# Altium PCB Power_Card_Lahiru.PcbDoc (part 2 of 2)
Units mm, origin at the board's own origin, x right, y up, seen from the top; angles counter-clockwise.
Board outline 100 x 100 mm, 2 copper layers (Top Layer, Bottom Layer), stack 1.595 mm thick; 182 components, 119 nets, 548 pads, 256 vias.
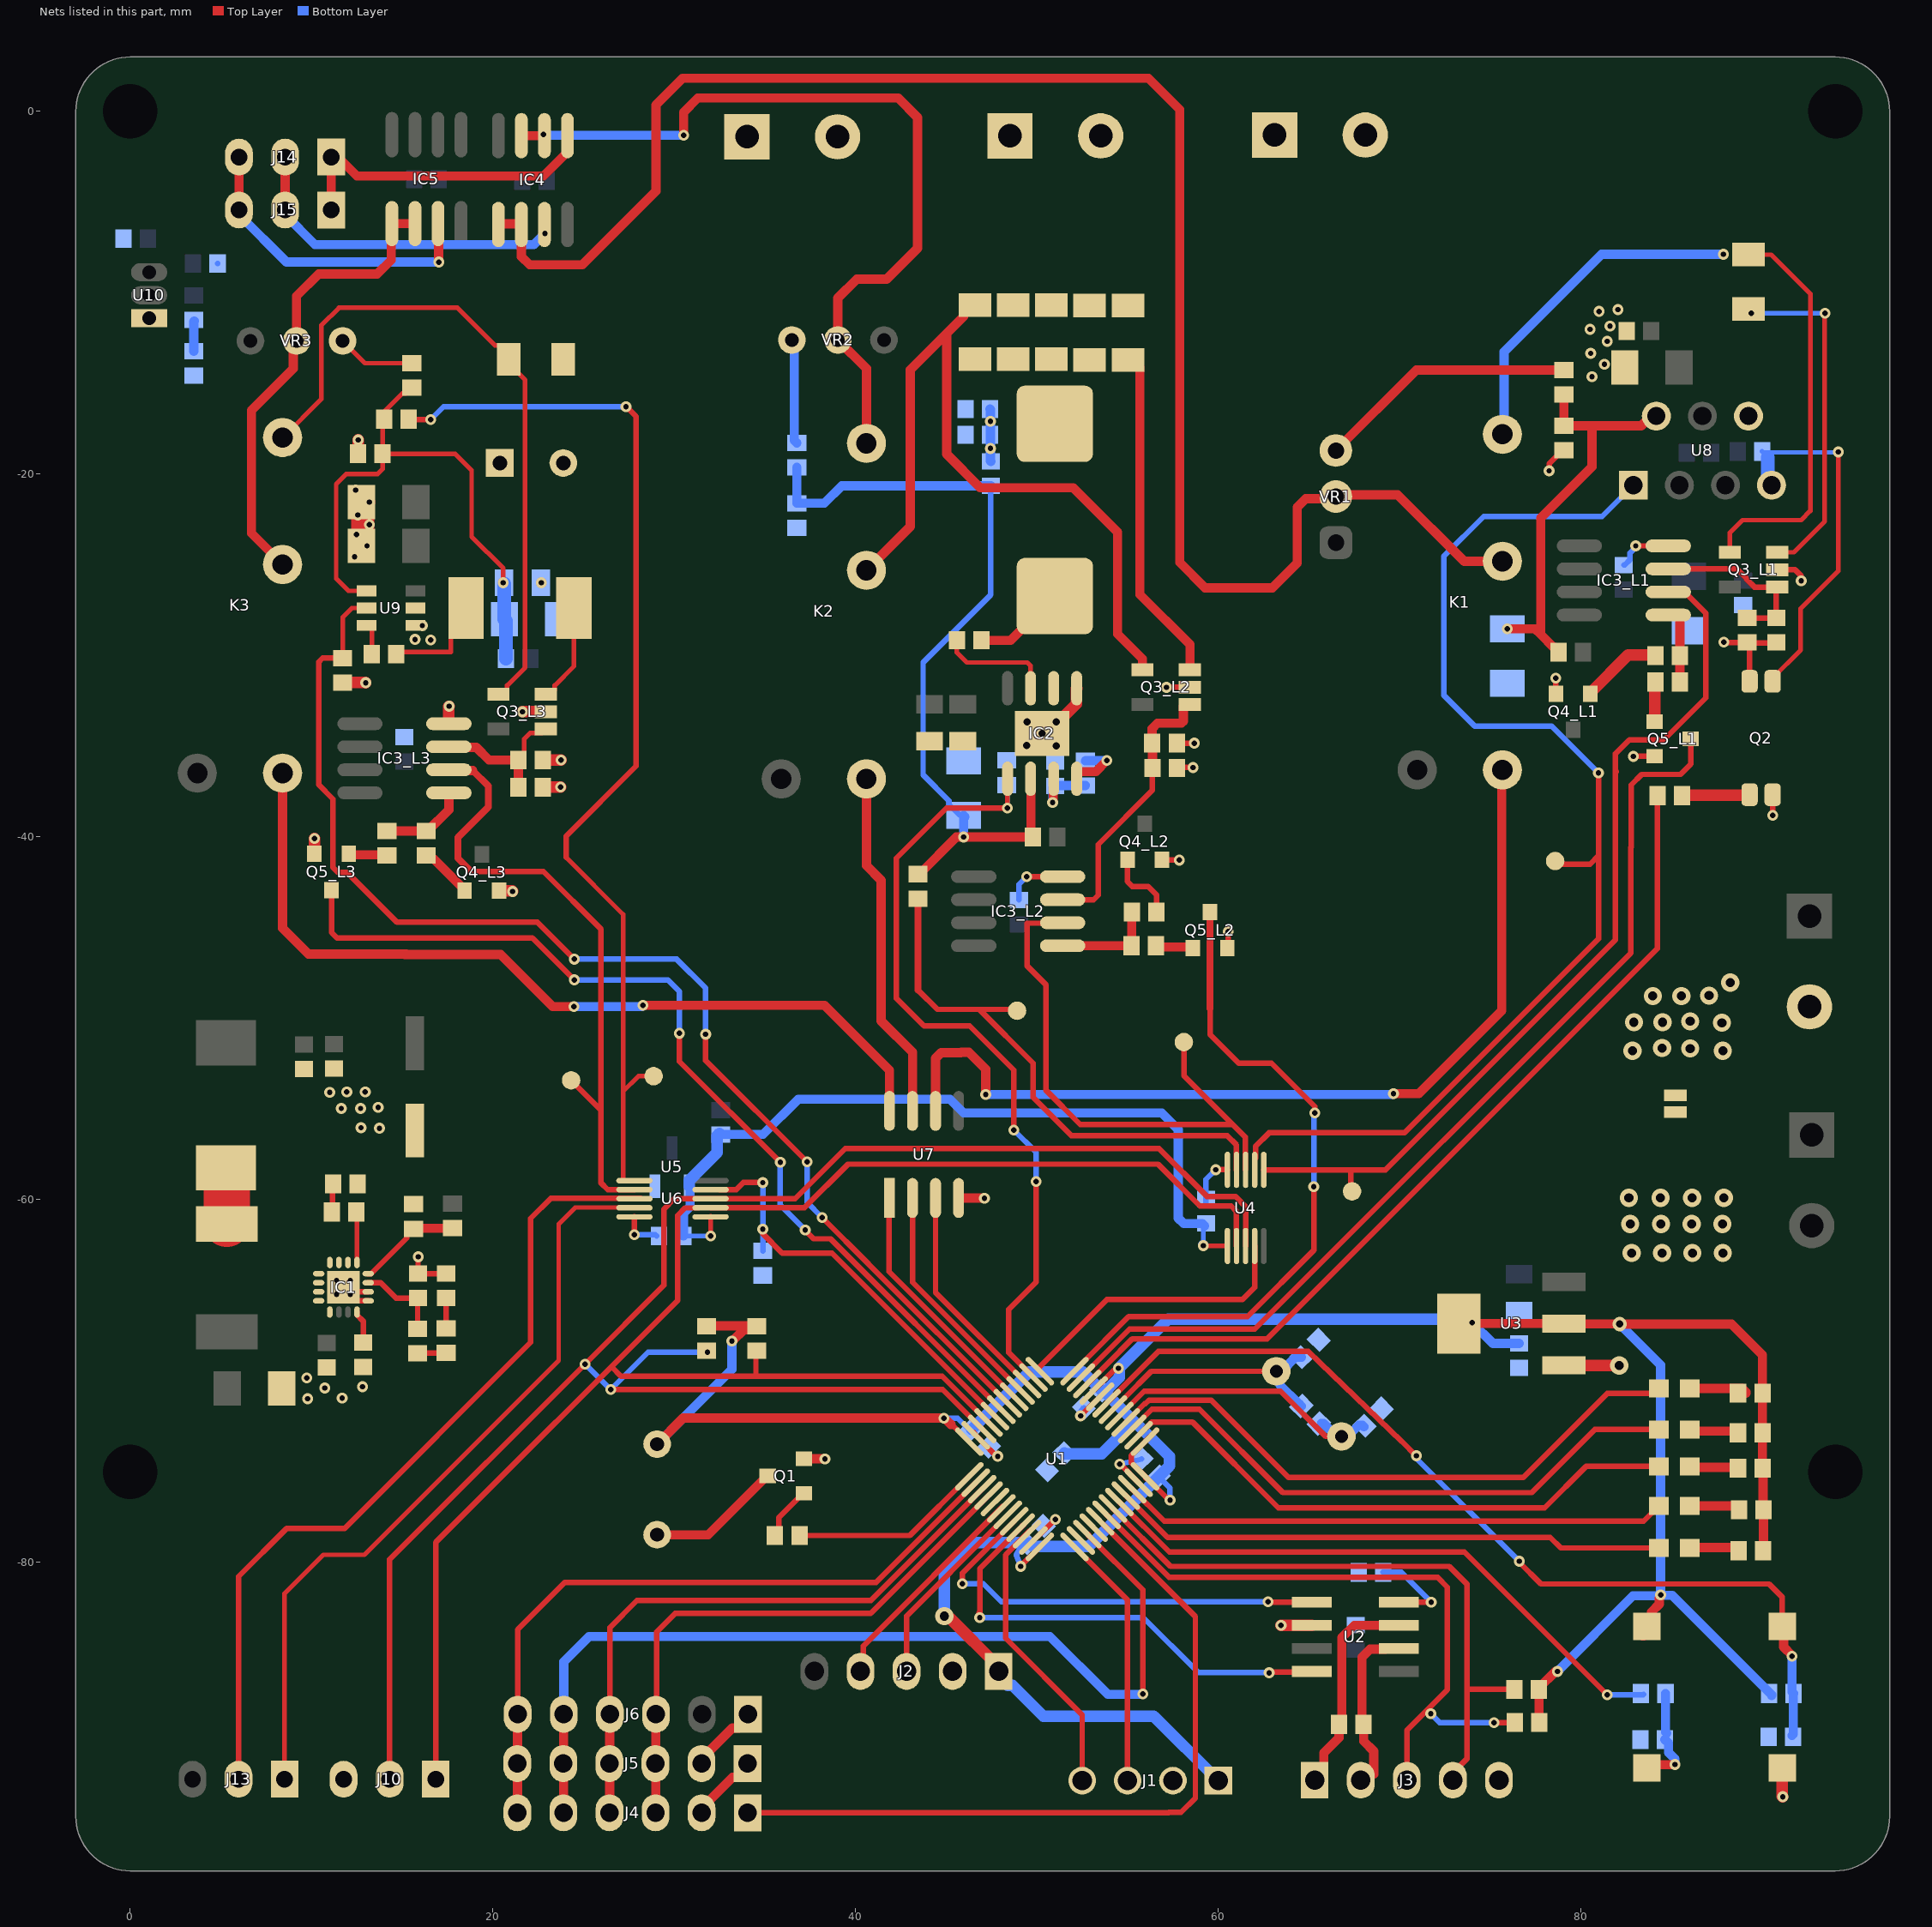
[diagram p2: the nets of this part, all layers, seen from the top]

## Via types
v1: diameter 0.6, hole 0.3, Top Layer to Bottom Layer, 153 vias
v2: diameter 0.8, hole 0.4, Top Layer to Bottom Layer, 62 vias
v3: diameter 1, hole 0.5, Top Layer to Bottom Layer, 27 vias
v4: diameter 0.6, hole 0.3, Top Layer to Bottom Layer, tented both sides, 7 vias
v5: diameter 0.8, hole 0.4, Top Layer to Bottom Layer, tented both sides, 7 vias

## Nets (pads, with @x,y where several pads share a name; then routed paths per layer and width w, separated by ;. In a path a pad name is that pad's centre, name@x,y a point inside that pad or via, vN(x,y) a via of type N, cw(c..) or ccw(c..) an arc to the next point about the centre after c; other vN are vias at no path point) (continued)
A3.3V: C9.2 C10.2 C11.2 C12.2 C13.2 C18.2 J1.4 J2.1 R8.1 R40.2 R41.2 R42.2 R43.2 R46.2 R47.2 R48.2 R49.2 R50.2 S1.2 SP1.1 U1.1 U1.9 U1.24 U1.36 U1.48 U3.2 U3.4 | length 187.3
  Top Layer w0.305: 45.263,-72.39 45.288,-72.39 U1.24@45.542,-72.644 ; v1(49.098,-80.213) 49.124,-80.162 49.2,-80.086 U1.36@50.15,-79.139 ; U1.9@53.12,-70.512 54.234,-69.398 54.325,-69.398 v1@54.381,-69.342 ; U1.48@55.997,-75.362 U1.48@56.032,-75.362 ; U1.1@56.591,-72.706 U1.1@55.948,-73.34 55.194,-74.095 55.194,-74.495 U1.48@55.948,-75.25 57.147,-76.448 57.246,-76.448 v1@57.302,-76.505
  Top Layer w0.508: SP1.1@29.047,-73.471 30.478,-72.04 v1(44.862,-72.04) 44.887,-72.04 45.237,-72.39 45.263,-72.39 ; R41.2@31.775,-66.965 31.788,-66.953 34.531,-66.953 R43.2@34.544,-66.965 ; v1(33.172,-67.793) 33.197,-67.793 33.829,-67.161 34.286,-67.161 R43.2@34.315,-67.132 ; v3(44.882,-82.956) 44.976,-83.051 v3@45.179,-83.051 ; J2.1@47.879,-86.004 J2.1@47.879,-85.75 ; v1(73.99,-66.777) 74.041,-66.827 U3.2@79.049,-66.827 79.062,-66.84 82.105,-66.84 v2(82.118,-66.853) 88.29,-66.853 89.992,-68.555 R48.2@89.992,-70.667 R47.2@89.992,-72.85 R46.2@89.992,-74.803 90.025,-74.836 90.025,-77.056 R50.2@90.058,-77.089 90.045,-77.102 90.045,-79.337 R49.2@90.032,-79.35 ; R40.2@77.673,-88.9 77.675,-88.898 77.675,-87.008 R42.2@77.662,-86.995 77.662,-86.92 78.578,-86.004 v1(78.689,-86.004) ; S1.2@83.388,-84.049 S1.2@83.439,-84.049 ; S1.2@83.871,-83.464 83.871,-82.728 84.303,-82.296 84.303,-81.991 v1@84.29,-81.978
  Top Layer w0.635: v3@45.179,-83.051 J2.1@47.879,-85.75
  Bottom Layer w0.305: v1(44.862,-72.04) 45.624,-72.04 46.239,-72.655 C13.2@46.38,-72.655 ; v1(49.098,-80.213) 48.844,-79.578 C10.2@49.205,-78.938 ; C12.2@56.713,-75.255 56.713,-75.28 57.328,-75.895 v1(57.328,-76.556)
  Bottom Layer w0.508: SP1.1@29.047,-73.471 33.172,-69.346 v1(33.172,-67.793) ; C13.2@46.38,-72.655 C13.2@46.391,-72.655 ; v1(54.483,-69.291) v1@54.508,-69.291 ; v1(73.99,-66.777) 75.129,-67.916 C18.2@76.573,-67.916 ; v1(78.689,-86.004) 82.855,-81.839 v1@84.455,-81.839 ; v2(82.118,-66.853) 84.379,-69.113 v1(84.379,-81.788) 84.396,-81.806 85.016,-81.806 90.5,-87.29 R8.1@90.5,-87.325
  Bottom Layer w0.635: v3(44.882,-82.956) 44.882,-80.594 46.573,-78.903 C10.2@49.348,-78.903 ; C13.2@46.391,-72.655 49.557,-69.489 52.511,-69.489 C11.2@53.538,-70.516 ; J2.1@47.879,-86.004 47.879,-86.258 48.387,-86.766 48.641,-86.766 50.343,-88.468 56.43,-88.468 J1.4@59.986,-92.024 ; C10.2@49.414,-78.933 49.601,-78.933 49.788,-79.12 52.848,-79.12 C12.2@56.713,-75.255 57.288,-74.68 57.288,-74.154 C11.2@53.734,-70.599 ; C9.2@51.506,-73.97 51.541,-74.005 53.553,-74.005 55.245,-72.314 55.347,-72.314 ; C11.2@53.888,-70.445 54.534,-69.799 v1@54.534,-69.418 ; v1@54.508,-69.291 57.22,-66.58 73.794,-66.58 v1(73.99,-66.777)
AGND: C9.1 C10.1 C11.1 C12.1 C13.1 C14.2 C15.2 C16.1 C17.1 C18.1 C19.1 C42.2 C43.1 J1.3 J2.2 J3.5 J10.3 JP1.1 Q1.2 R10.2 R11.1 R13.1 S2.1 U1.8 U1.23 U1.35 U1.47 U2.2 U3.1 U4.10 U5.2 U6.10 U7.4 | length 22.8
  Top Layer w0.305: v1(27.788,-61.925) 27.788,-60.946 27.79,-60.944 U6.10@27.796,-60.944 ; U1.23@46.464,-72.814 46.486,-72.815 46.989,-73.375 47.756,-74.143 v1(47.828,-74.143) ; U1.35@49.797,-78.785 50.736,-77.889 50.749,-77.876 v1(51.003,-77.622) ; v1(52.394,-71.915) 52.566,-71.743 U1.8@53.474,-70.866 ; v1(54.559,-74.574) 54.61,-74.6 U1.47@55.595,-75.603 ; v1(59.842,-58.344) 60.491,-58.344 60.493,-58.346 U4.10@60.493,-58.352
  Top Layer w0.508: Q1.2@37.144,-74.285 38.293,-74.285 v1(38.303,-74.295) ; U7.4@45.669,-59.906 47.079,-59.906 v4(47.092,-59.919)
  Top Layer w0.635: v1(63.449,-83.464) U2.2@65.139,-83.464 ; U3.1@79.049,-69.127 79.055,-69.133 82.087,-69.133 v3(82.093,-69.139) ; S2.1@91.084,-91.327 91.084,-92.888 v1(91.11,-92.913)
  Bottom Layer w0.305: v1(27.788,-61.925) 28.956,-61.925 C43.1@29.032,-62.001 ; C13.1@47.473,-73.889 47.727,-74.143 v1(47.828,-74.143) ; v1(52.394,-71.915) 52.386,-71.915 52.539,-71.762 52.416,-71.638 C11.1@52.583,-71.47 ; v1(54.559,-74.574) C12.1@55.758,-74.3 ; C42.2@59.309,-60.173 C42.2@59.309,-59.955 59.309,-58.881 59.842,-58.348 v1(59.842,-58.344)
  other v3: 82.779,-62.941 84.455,-62.941 86.131,-62.941 87.808,-62.941 82.702,-61.341 84.396,-61.341 86.089,-61.341 87.782,-61.341 82.626,-59.893 84.37,-59.893 86.114,-59.893 87.859,-59.893
BOOT0: R9.1 U1.44 | length 33.3
  Top Layer w0.305: U1.44@54.534,-76.664 57.296,-79.426 73.558,-79.426 v1(81.432,-87.3)
  Bottom Layer w0.305: v1(81.432,-87.3) 83.414,-87.3 R9.1@83.439,-87.274
BOOT1: R10.1 U1.20 U6.4 | length 23.6
  Top Layer w0.305: U6.4@32.487,-59.436 33.412,-59.436 33.793,-59.055 v1(34.874,-59.055) ; v1(34.874,-61.62) 34.874,-61.874 35.941,-62.941 38.69,-62.941 U1.20@47.675,-71.926
  Bottom Layer w0.305: v1@34.798,-61.595 34.874,-61.671 R10.1@34.874,-62.825 ; v1(34.874,-61.62) v1(34.874,-59.055)
CANH: J3.1 R12.2 U2.7 | length 11.2
  Top Layer w0.508: J3.1@65.303,-91.999 65.811,-91.491 65.811,-90.5 66.65,-89.662 R12.2@66.65,-88.925 66.802,-88.773 66.802,-84.143 67.481,-83.464 69.19,-83.464 U2.7@69.215,-83.49
CANL: J3.2 R12.1 U2.6 | length 9.1
  Top Layer w0.508: J3.2@67.843,-91.999 68.174,-91.669 68.555,-91.669 68.555,-90.399 68,-89.844 R12.1@68,-88.925 67.909,-88.835 67.909,-85.228 68.356,-84.78 69.194,-84.78 U2.6@69.24,-84.734
CANRX: U1.32 U2.1 | length 24.2
  Top Layer w0.305: v1(45.872,-81.178) 45.872,-80.588 U1.32@48.736,-77.724 ; v1(62.738,-82.169) 62.751,-82.182 64.96,-82.182 U2.1@64.973,-82.169
  Bottom Layer w0.305: v1(45.872,-81.178) 47.041,-81.178 48.031,-82.169 v1(62.738,-82.169)
CANTX: U1.33 U2.4 | length 26.7
  Top Layer w0.305: v1@46.787,-82.779 46.838,-82.829 v1(46.838,-83.033) 46.838,-80.34 49.225,-77.953 49.222,-77.949 49.218,-77.949 U1.33@49.09,-78.078 ; v1(62.789,-86.081) 62.827,-86.043 65.646,-86.043 U2.4@65.684,-86.004
  Bottom Layer w0.305: v1(46.838,-83.033) 55.855,-83.033 58.877,-86.055 62.763,-86.055 v1(62.789,-86.081)
DAC_OUT_1: J13.2 U6.8 | length 46
  Top Layer w0.305: J13.2@5.969,-91.948 5.969,-80.772 8.611,-78.13 11.811,-78.13 22.073,-67.869 22.073,-61.036 23.19,-59.919 U6.8@28.143,-59.919
DAC_OUT_2: J13.1 U6.9 | length 42.4
  Top Layer w0.254: J13.1@8.509,-91.948 8.509,-81.712 10.643,-79.578 12.903,-79.578 23.622,-68.859 23.622,-61.341 24.536,-60.427 U6.9@27.404,-60.427
EN: Q2.E R20.2 U8.7 | length 20.4
  Top Layer w0.254: Q2.E@90.551,-31.419 90.551,-31.244 92.1,-29.695 92.1,-27.407 94.177,-25.33 v1(94.177,-18.777)
  Bottom Layer w0.254: R20.2@89.971,-18.745 R20.2@90.021,-18.796 ; U8.7@90.294,-20.407 U8.7@90.492,-20.606 ; R20.2@90.294,-19.068 R20.2@90.021,-18.796 ; v1(94.177,-18.777) 94.158,-18.796 R20.2@90.021,-18.796
  Bottom Layer w0.762: U8.7@90.294,-20.407 R20.2@90.294,-19.068
EN_1: R17.2 U1.10 | length 49.8
  Top Layer w0.305: U1.10@52.766,-70.158 53.878,-69.047 53.878,-69.041 55.253,-67.666 62.687,-67.666 84.201,-46.152 R17.2@84.201,-37.694
EN_2: IC2.1 R27.1 U1.14 | length 44.5
  Top Layer w0.254: v1(48.362,-38.405) 48.366,-38.4 48.366,-36.797 IC2.1@48.371,-36.792
  Top Layer w0.305: v1(48.362,-38.405) 45.009,-38.405 42.24,-41.173 42.24,-48.895 43.764,-50.419 46.279,-50.419 48.717,-52.857 v4(48.717,-56.159) ; U1.14@49.682,-69.672 48.438,-68.428 48.438,-66.04 49.936,-64.541 v4(49.936,-59.004)
  Bottom Layer w0.254: R27.1@48.32,-37.131 48.362,-37.173 v1(48.362,-38.405)
  Bottom Layer w0.305: v4(48.717,-56.159) 49.936,-57.379 v4(49.936,-59.004)
EN_3: R34.1 U1.18 U9.5 | length 69.9
  Top Layer w0.254: R34.1@11.709,-30.135 11.709,-27.889 12.217,-27.381 U9.5@13.026,-27.381
  Top Layer w0.305: R34.1@11.709,-30.135 10.606,-30.135 10.389,-30.353 10.389,-37.118 11.176,-37.906 11.176,-41.681 11.455,-41.961 11.963,-41.961 14.707,-44.704 22.454,-44.704 v1(24.486,-46.736) ; v1(31.725,-50.876) 31.725,-52.324 v1(37.313,-57.912) ; v1(38.151,-60.985) 40.716,-63.551 40.716,-63.553 U1.18@48.382,-71.219
  Bottom Layer w0.305: v1(24.486,-46.736) 30.124,-46.736 31.725,-48.336 v1(31.725,-50.876) ; v1(37.313,-57.912) 37.313,-60.147 v1(38.151,-60.985)
FB1: IC4.1 IC4.2 K1.2 VR1.2 | length 95.9
  Top Layer w0.508: IC4.1@20.396,-6.198 21.528,-6.198 IC4.2@21.565,-6.235 21.565,-8.001 22.022,-8.458 24.917,-8.458 28.981,-4.394 28.981,0.356 ; 29.007,0.381 30.455,1.829 56.134,1.829 57.861,0.102 57.861,-24.867 59.258,-26.264 62.967,-26.264 64.338,-24.892 64.338,-21.819 64.81,-21.347 66.36,-21.347 VR1.2@66.472,-21.234 66.574,-21.133 69.875,-21.133 73.544,-24.801 K1.2@75.654,-24.801
FB2: IC4.6 IC4.7 K2.3 VR2.2 | length 45.3
  Top Layer w0.508: IC4.7@21.565,-1.335 IC4.6@22.784,-1.335 ; v1(30.505,-1.321) 30.505,-0.051 31.293,0.737 42.342,0.737 43.409,-0.33 43.409,-7.544 41.707,-9.246 40.056,-9.246 39.014,-10.287 VR2.2@39.014,-12.598 40.589,-14.173 K2.3@40.589,-18.298
  Bottom Layer w0.508: v1(22.784,-1.27) 22.809,-1.27 22.859,-1.321 v1(30.505,-1.321)
FB3: IC5.1 IC5.2 K3.2 VR3.2 | length 25.6
  Top Layer w0.508: K3.2@8.407,-24.983 6.68,-23.256 6.68,-16.485 8.992,-14.173 8.992,-12.827 VR3.2@9.169,-12.649 9.169,-10.185 10.389,-8.966 13.614,-8.966 14.39,-8.19 14.39,-6.615 IC5.1@14.453,-6.553 ; IC5.1@14.351,-6.096 14.439,-6.184 IC5.2@15.697,-6.184
GND: C1.2 C2.1 C3.2 C4.1 C5.1 C6.1 C7.1 C8.1 C22.1 C23.1 C24.1 C25.1 C26.1 C28.1 C30.1 C31.1 C32_L1.1 C32_L2.1 C32_L3.1 C33_L1.1 C33_L2.1 C33_L3.1 C34_L1.1 C34_L2.1 C34_L3.1 C35.1 C36.1 C38.1 C39.1 C40.1 C41.1 IC1.5 IC1.6 IC1.10 IC1.11 IC1.12 IC1.13 IC1.14 IC1.17 IC2.5 IC2.9 IC3_L1.4 IC3_L2.4 IC3_L3.4 J11.1 JP1.2 Q2.C Q2.K Q3_L1.2 Q3_L2.2 Q3_L3.2 Q4_L1.2 Q4_L2.2 Q4_L3.2 Q5_L1.2 Q5_L2.2 Q5_L3.2 R3.2 R6.1 R19.1 R27.2 R29.1 R34.2 R35.1 R38_L1.1 R38_L2.1 R38_L3.1 R45.2 U9.1 U10.1 | length 42
  Top Layer w0.305: IC1.5@13.118,-65.576 12.696,-65.576 12.691,-65.571 12.498,-65.571 12.003,-65.076 IC1.6@13.118,-65.076 ; v1(15.875,-63.144) 15.867,-63.152 C6.1@15.867,-64.07 15.87,-64.072 17.415,-64.072 C8.1@17.417,-64.075 ; v1(49.428,-42.189) IC3_L2.4@51.407,-42.189 ; Q4_L2.2@56.881,-41.259 56.889,-41.267 57.828,-41.267 v1(57.836,-41.275) ; v1(57.124,-31.75) Q3_L2.2@58.425,-31.75 ; R38_L2.1@57.698,-34.83 v1(58.673,-34.83) ; C34_L2.1@57.72,-36.201 57.751,-36.17 v1(58.598,-36.17) ; Q5_L2.2@60.488,-46.136 60.528,-46.176 v1(60.528,-45.212) ; v1(78.232,-19.812) 78.232,-19.421 78.97,-18.684 R19.1@79.045,-18.684 ; v1(78.588,-31.242) 78.595,-31.25 78.595,-32.089 Q4_L1.2@78.603,-32.096 ; v1(82.88,-35.56) 82.895,-35.545 Q5_L1.2@84.039,-35.545 ; v1(83.007,-23.952) IC3_L1.4@84.797,-23.952 ; v1(87.859,-29.261) 87.873,-29.275 R38_L1.1@89.151,-29.275 R38_L1.1@89.19,-29.313 ; Q2.C@89.281,-31.419 89.281,-29.405 R38_L1.1@89.19,-29.313 ; v1(90.551,-38.811) Q2.K@90.551,-37.669 ; C34_L1.1@90.726,-29.352 90.688,-29.313 R38_L1.1@89.19,-29.313 ; Q3_L1.2@90.81,-25.273 91.796,-25.273 92.126,-25.603 v1(92.126,-25.883)
  Top Layer w0.635: Q5_L3.2@10.15,-40.935 10.16,-40.925 v1(10.16,-40.081) ; R34.2@11.709,-31.485 12.969,-31.485 v1(12.979,-31.496) ; R35.1@12.558,-18.872 12.573,-18.858 v1(12.573,-18.11) ; IC3_L3.4@17.563,-33.757 17.563,-32.805 v1(17.577,-32.791) ; Q4_L3.2@20.33,-42.961 20.346,-42.977 21.057,-42.977 v1(21.082,-43.002) ; v1(21.615,-33.096) Q3_L3.2@22.915,-33.096 ; R38_L3.1@22.748,-37.255 v1(23.723,-37.255) ; C34_L3.1@22.748,-35.757 22.754,-35.763 v1(23.749,-35.763) ; v2(50.276,-34.297) 50.531,-34.297 52.163,-32.665 52.163,-31.82 IC2.5@52.181,-31.802
  Top Layer w1.27: C31.1@12.749,-23.952 12.813,-23.889 12.813,-21.603 C30.1@12.876,-21.539
  Bottom Layer w0.305: C41.1@4.815,-8.382 C41.1@4.826,-8.393 ; C32_L2.1@48.997,-43.47 48.997,-42.621 v1(49.428,-42.189) ; C32_L1.1@82.347,-25.007 82.397,-25.007 82.694,-24.71 82.694,-24.345 83.007,-24.032 v1(83.007,-23.952) v1@82.951,-23.896
  other v1: 9.779,-70.968 11.684,-70.942 10.719,-70.383 12.802,-70.307 9.728,-69.825 13.741,-56.058 12.725,-56.032 11.633,-54.966 12.7,-54.966 13.665,-54.915 10.998,-54.077 11.938,-54.051 12.954,-54.051 16.561,-29.134 15.697,-29.108 16.104,-28.346 12.37,-24.562 13.049,-23.952 12.471,-23.317 13.183,-22.784 12.548,-22.25 13.176,-21.539 12.421,-20.879 80.594,-14.63 81.28,-13.945 80.518,-13.335 81.432,-12.672 80.493,-12.014 81.585,-11.836 80.975,-11.024 82.017,-10.922
  other v2: 51.054,-34.976 49.428,-34.95 49.454,-33.655 51.054,-33.655
  other v3: 82.829,-51.791 87.808,-51.791 86.004,-51.664 84.455,-51.638 87.757,-50.241 82.906,-50.216 84.48,-50.216 86.004,-50.165 83.947,-48.768 85.522,-48.768 87.046,-48.743 88.214,-48.031
ILIM_FB_1: Q5_L1.3 U1.11 | length 54
  Top Layer w0.305: U1.11@52.756,-69.469 55.093,-67.132 62.001,-67.132 82.728,-46.406 82.728,-40.589 82.753,-40.564 82.753,-37.135 83.337,-36.551 85.471,-36.551 86.039,-35.982 Q5_L1.3@86.039,-34.595
ILIM_FB_2: Q5_L2.3 U1.12 | length 37.7
  Top Layer w0.305: U1.12@52.349,-69.139 55.042,-66.446 61.595,-66.446 65.253,-62.789 v1(65.253,-59.284) ; 59.538,-49.454 59.538,-50.902 61.112,-52.476 62.916,-52.476 65.303,-54.864 v1(65.303,-55.22)
  Top Layer w0.381: 59.538,-49.454 Q5_L2.3@59.538,-44.136
  Bottom Layer w0.305: v1(65.253,-59.284) 65.253,-55.27 v1(65.303,-55.22)
ILIM_FB_3: Q5_L3.3 U1.19 | length 53.8
  Top Layer w0.305: Q5_L3.3@11.1,-42.935 11.1,-45.27 11.397,-45.568 22.174,-45.568 v1(24.486,-47.879) ; v1(30.277,-50.825) 30.277,-52.375 v1(35.839,-57.937) ; v1(37.211,-61.671) 37.211,-61.697 37.668,-62.154 38.61,-62.154 U1.19@48.029,-71.573
  Bottom Layer w0.305: v1(24.486,-47.879) 29.642,-47.879 30.277,-48.514 v1(30.277,-50.825) ; v1(35.839,-57.937) 35.839,-60.3 v1(37.211,-61.671)
ISET_1: IC3_L1.2 TP1.1 U4.6 | length 49.7
  Top Layer w0.305: U4.6@62.493,-58.352 67.285,-58.352 ; TP1.1@67.361,-59.538 67.285,-59.461 67.285,-58.352 ; 81.94,-36.398 81.89,-36.449 ; IC3_L1.2@84.797,-26.492 85.697,-26.492 86.868,-27.663 86.868,-32.334 84.557,-34.646 82.652,-34.646 81.89,-35.408 81.89,-36.449 ; 67.285,-58.352 69.207,-58.352 81.89,-45.669 81.89,-36.449
ISET_2: IC3_L2.2 TP3.1 U4.8 | length 31.6
  Top Layer w0.203: U4.8@61.475,-58.334 U4.8@61.493,-58.352 U4.8@61.493,-59.228
  Top Layer w0.305: IC3_L2.2@50.8,-44.78 IC3_L2.2@50.495,-44.78 ; TP3.1@58.09,-51.308 58.09,-53.162 60.782,-55.855 ; U4.8@61.475,-58.334 61.475,-56.547 60.782,-55.855 ; IC3_L2.2@50.495,-44.78 50.495,-44.755 49.454,-44.755 49.454,-47.117 50.495,-48.158 50.495,-53.975 52.375,-55.855 60.782,-55.855 ; IC3_L2.2@50.495,-44.78 50.495,-44.819 50.457,-44.78 IC3_L2.2@50.495,-44.78
ISET_3: IC3_L3.2 TP5.1 U6.7 | length 35
  Top Layer w0.305: 18.821,-41.91 22.784,-41.91 25.959,-45.085 25.959,-55.067 ; TP5.1@24.308,-53.416 25.959,-55.067 ; U6.7@27.796,-59.444 26.322,-59.444 25.959,-59.08 25.959,-55.067
  Top Layer w0.381: 18.779,-41.885 18.771,-41.885 18.059,-41.173 18.059,-40.03 19.736,-38.354 19.736,-37.186 18.884,-36.333
  Top Layer w0.508: IC3_L3.2@17.563,-36.297 17.6,-36.333 18.884,-36.333
JTCK: J1.2 U1.37 | length 13.2
  Top Layer w0.305: U1.37@52.694,-79.773 54.986,-82.065 J1.2@54.986,-92.024
JTMS: J1.1 U1.34 | length 16.1
  Top Layer w0.305: U1.34@49.603,-78.236 48.26,-79.578 48.26,-84.176 52.486,-88.401 J1.1@52.486,-92.024
LDAC_1: U1.13 U4.4 | length 16.1
  Top Layer w0.254: U4.4@61.976,-62.687 U4.4@61.993,-62.705
  Top Layer w0.305: U1.13@50.114,-69.342 50.114,-69.24 53.848,-65.507 61.316,-65.507 61.993,-64.829 61.993,-62.705 U4.4@61.993,-62.552
MISO1: U1.40
MOSI1: J4.1 U1.41 | length 42.2
  Top Layer w0.305: J4.1@34.043,-93.802 57.252,-93.802 57.277,-93.777 57.937,-93.777 58.725,-92.989 58.725,-82.982 56.286,-80.543 ; U1.41@53.645,-77.902 56.286,-80.543 ; 56.261,-80.543 56.286,-80.543
NetC6_2: C6.2 IC1.7 R2.2 | length 4.8
  Top Layer w0.305: IC1.7@13.118,-64.576 13.12,-64.573 13.533,-64.573 13.54,-64.567 13.792,-64.567 14.645,-65.42 C6.2@15.867,-65.42 15.842,-65.445 R2.2@15.842,-67.118
NetC7_2: C7.2 IC1.4 | length 1.8
  Top Layer w0.305: IC1.4@12.503,-66.191 12.503,-66.351 12.844,-66.692 C7.2@12.844,-67.88
NetC8_2: C8.2 R5.2 | length 1.7
  Top Layer w0.305: R5.2@17.416,-67.092 C8.2@17.416,-65.425
NetC20_1: C20.1 IC2.6 L2.1 | length 5.1
  Top Layer w0.508: C20.1@46.928,-29.159 48.54,-29.159 L2.1@50.978,-26.721
NetC20_2: C20.2 IC2.7 | length 6.3
  Top Layer w0.254: C20.2@45.578,-29.159 45.578,-29.83 46.126,-30.378 49.454,-30.378 49.641,-30.566 IC2.7@49.641,-31.802
NetC21_1: C21.1 C33_L2.2 IC2.2 R26.1 R28.2 R29.2 R36_L2.2 | length 45.5
  Top Layer w0.508: R28.2@43.434,-42.048 43.509,-42.048 45.552,-40.005 v1(45.949,-40.005) 49.769,-40.005 49.659,-39.894 49.659,-36.81 IC2.2@49.641,-36.792
  Bottom Layer w0.305: C33_L2.2@45.949,-38.813 45.749,-38.813 45.151,-38.215 45.151,-38.015 43.713,-36.577 43.713,-30.378 47.447,-26.645 C21.1@47.447,-20.639
  Bottom Layer w0.508: R26.1@36.754,-19.623 R29.2@36.754,-21.601 38.267,-21.601 39.228,-20.639 C21.1@47.447,-20.639 ; v1(45.949,-40.005) 45.949,-38.965 46.025,-38.889 C33_L2.2@45.949,-38.813
NetC21_2: C21.2 C24.2 C25.2 L2.2 Q3_L2.3 R21.2 R22.1 R23.1 R24.1 R25.1 | length 21.5
  Top Layer w0.508: R22.1@55.016,-13.692 55.266,-13.692 55.662,-14.088 55.662,-26.63 58.425,-29.392 Q3_L2.3@58.425,-30.785
  Bottom Layer w0.508: C24.2@47.407,-16.408 47.427,-16.428 v1(47.427,-17.081) v1(47.427,-18.581) 47.427,-19.269 C21.2@47.447,-19.289
NetC26_2: C26.2 IC2.3 R30.2 | length 4
  Top Layer w0.508: v1(50.851,-38.1) 50.851,-38.075 50.893,-38.033 50.893,-36.81 IC2.3@50.911,-36.792
  Bottom Layer w0.508: v1(50.851,-38.1) 50.868,-38.082 50.868,-37.301 C26.2@50.987,-37.182 51,-37.169 52.651,-37.169 R30.2@52.664,-37.157
NetC27_1: C27.1 L3.1 U9.2 | length 5.9
  Top Layer w0.254: C27.1@14.67,-29.921 14.67,-29.971 14.847,-29.794 17.678,-29.794 17.678,-28.216 L3.1@18.513,-27.381
NetC27_2: C27.2 U9.6 | length 1.8
  Top Layer w0.254: U9.6@13.026,-28.331 13.147,-28.331 13.32,-28.504 C27.2@13.32,-29.921
NetC28_2: C28.2 C29.2 L3.2 Q3_L3.3 R31.2 | length 5.5
  Top Layer w0.254: Q3_L3.3@22.915,-32.131 23.169,-32.131 23.398,-31.902 23.398,-31.648 24.463,-30.583 L3.2@24.463,-27.381
  other v1: 22.665,-25.984
NetC29_1: C29.1 C33_L3.2 R32.1 R33.2 R35.2 R36_L3.2 U9.4 | length 31.9
  Top Layer w0.254: U9.4@13.026,-26.431 12.029,-26.431 11.354,-25.756 11.354,-20.549 11.913,-19.99 13.64,-19.99 13.908,-19.721 R35.2@13.908,-18.872 ; R33.2@15.519,-15.229 15.196,-15.552 14.994,-15.552 13.781,-16.765 13.781,-16.84 13.908,-16.967 R35.2@13.908,-18.872 ; v1(20.565,-25.984) 20.565,-25.188 18.821,-23.444 18.821,-19.787 17.907,-18.872 R35.2@13.908,-18.872
  Bottom Layer w0.254: v1(20.565,-25.984) C29.1@20.623,-26.042 ; C33_L3.2@20.623,-27.991 C33_L3.2@20.712,-28.079